# Altium PCB ACF_Out-v2.0.PcbDoc (part 1 of 2)
Units mil, origin at the board's own origin, x right, y up, seen from the top; angles counter-clockwise.
Board outline 5719.29 x 3937.01 mil, 2 copper layers (Top Layer, Bottom Layer), stack 61.811 mil thick; 67 components, 71 nets, 251 pads, 51 vias.
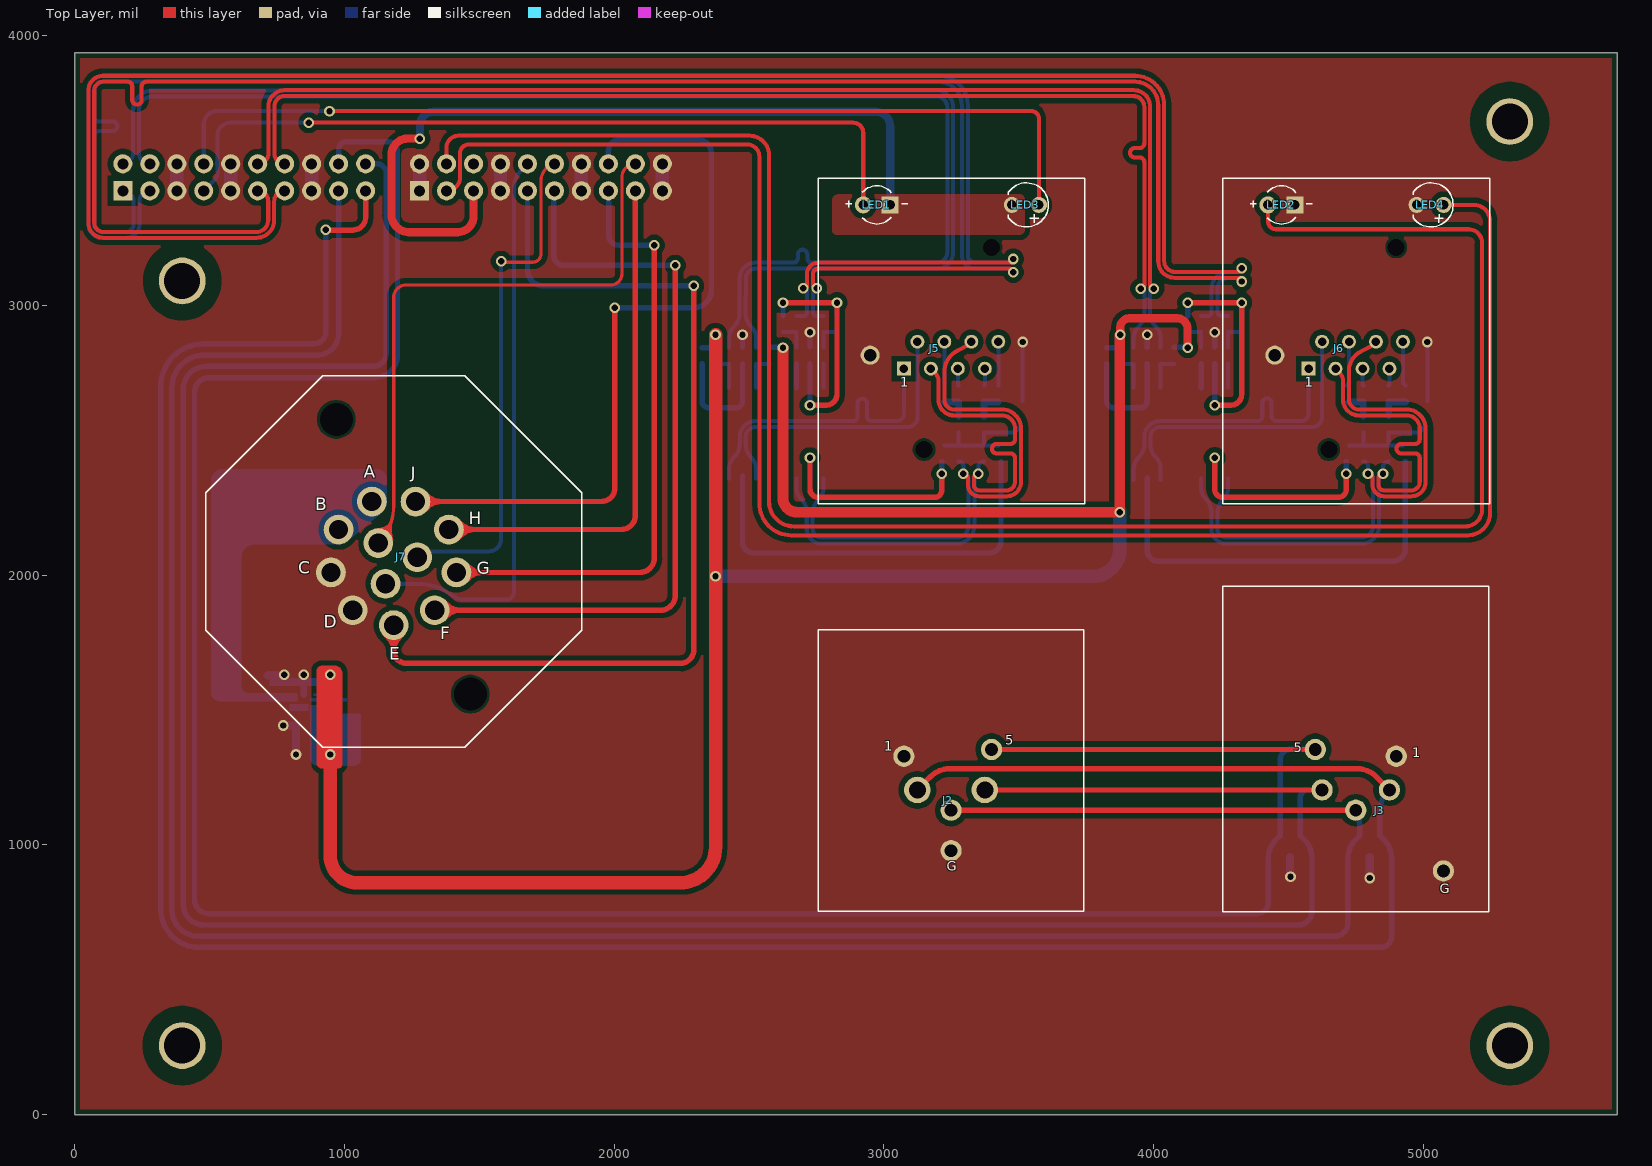
[diagram p0: Top Layer view]
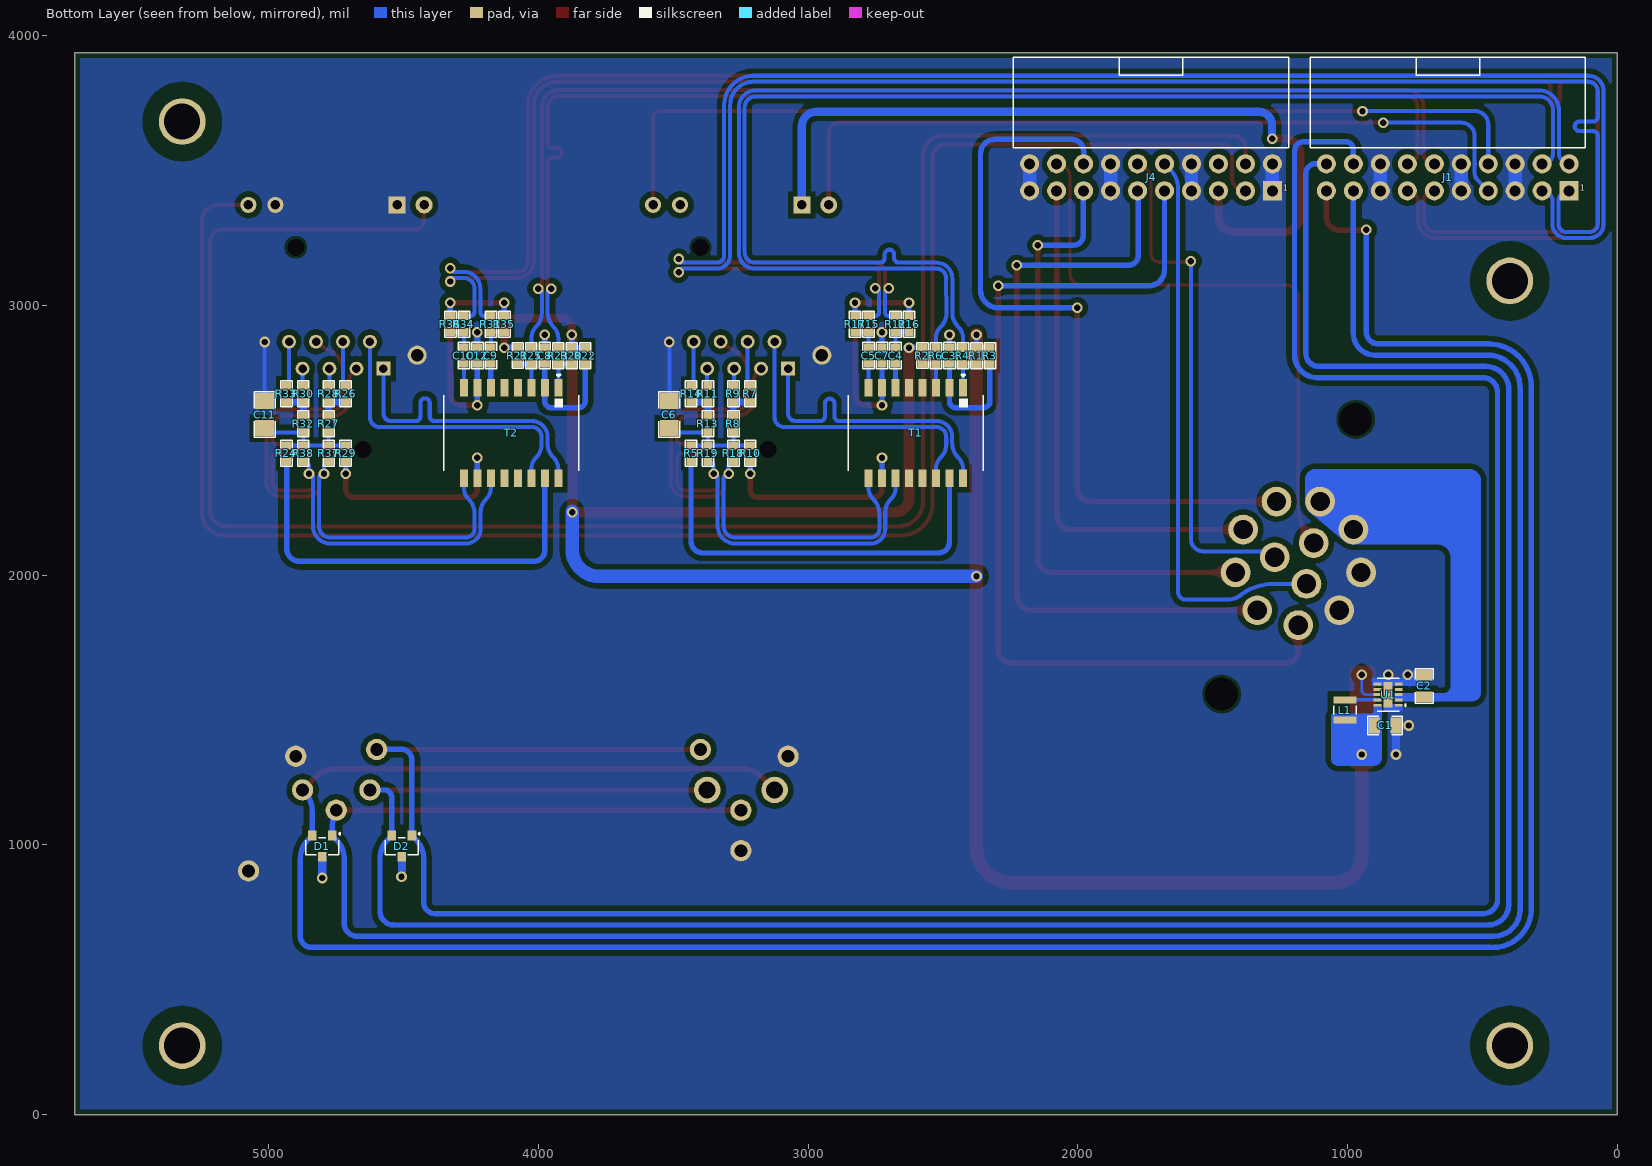
[diagram p1: Bottom Layer view, seen from below]
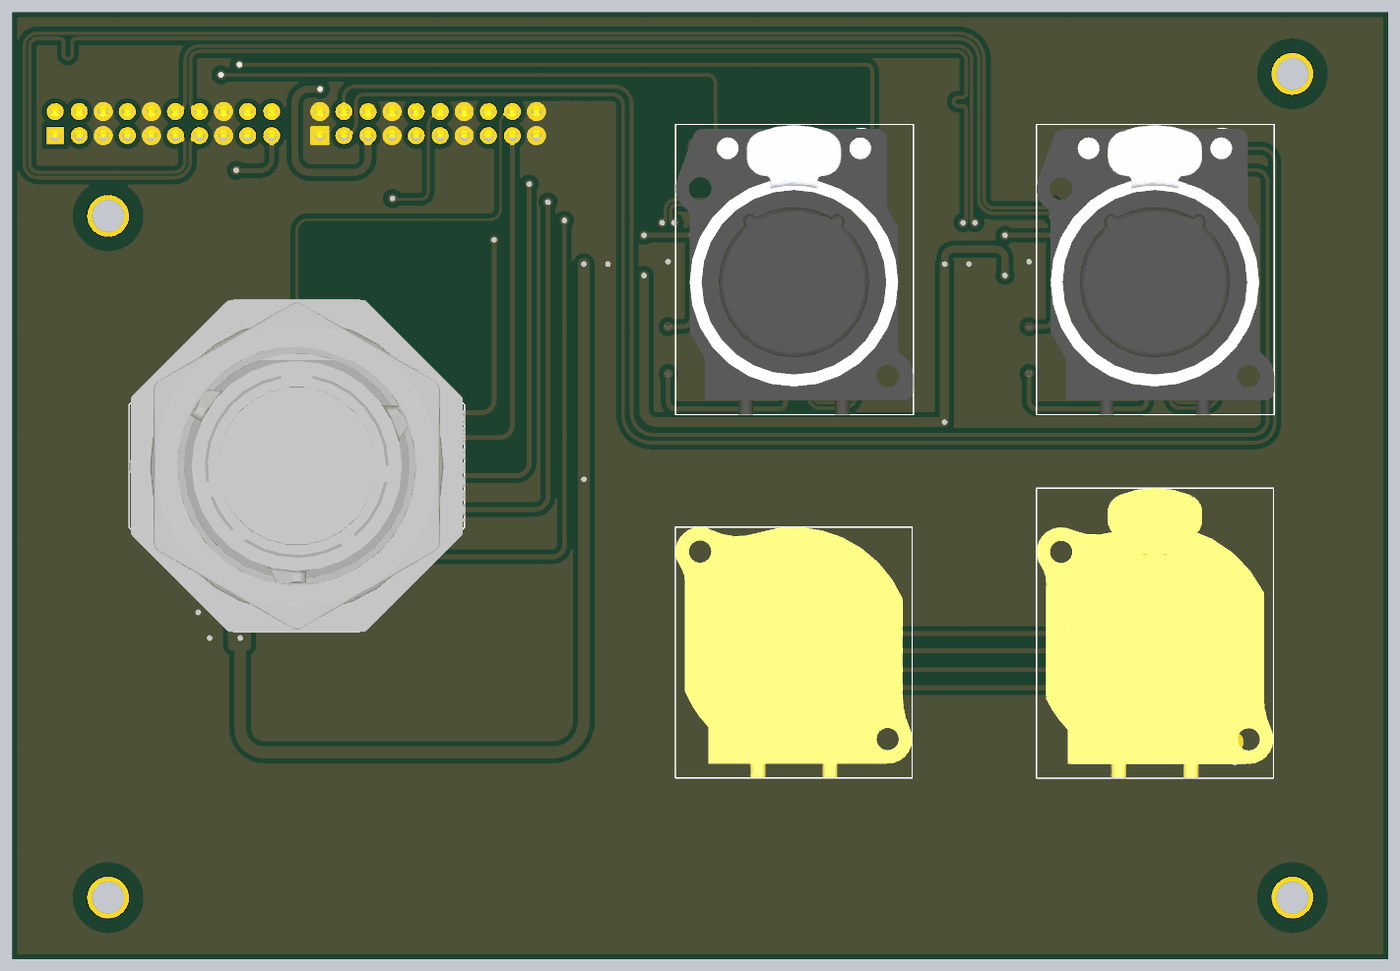
[diagram p3: 3D render of the assembled board from above, using the file's embedded part models]
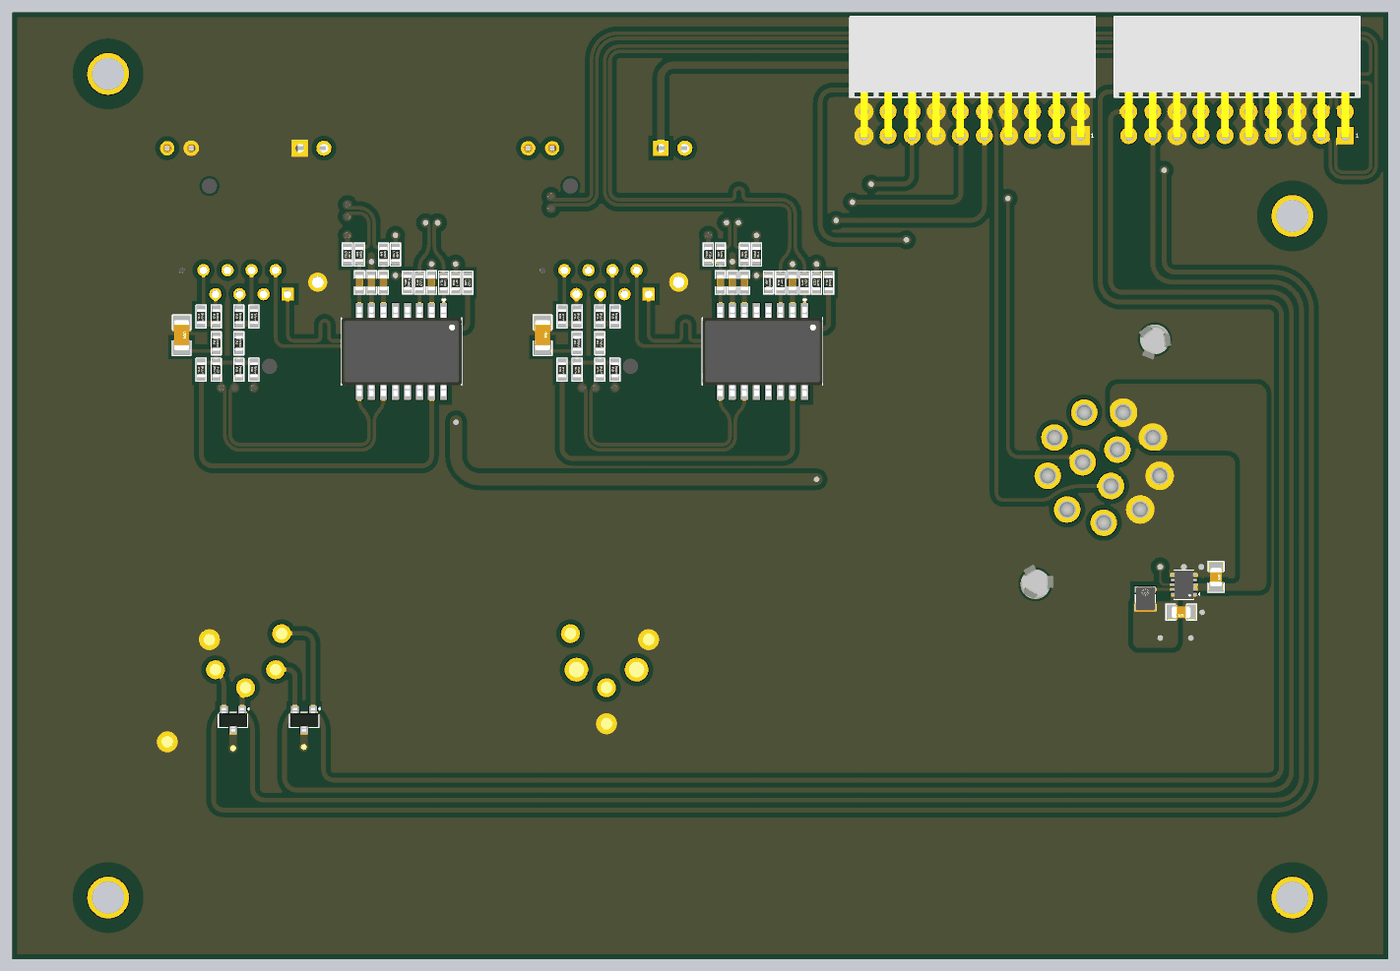
[diagram p4: 3D render of the assembled board from below, using the file's embedded part models]

## Layer stack, top to bottom
Top Solder: solder mask 0.9843, SM-004, Dk 4
Top Layer: signal copper 1.378
Dielectric 1: dielectric 59.055, FR-4, Dk 4.8
Bottom Layer: signal copper 1.378
Bottom Solder: solder mask 0.9843, SM-004, Dk 4

## Board outline
0,0 0,3937.01 5719.29,3937.01 5719.29,0

## Design rules (kind name [scope] priority, off if disabled: settings)
BoardOutlineClearance [All] p1: gap=0 ignorepadtopadclearanceinfootprint=FALSE except(20: Poly-OutlineEdge)
Clearance [All] p1: gap=10 ignorepadtopadclearanceinfootprint=FALSE except(6: SMDPad-SMDPad; 7: Arc-Arc Arc-Track Arc-SMDPad Arc-THPad Arc-Fill Track-Track Track-SMDPad Track-THPad Track-Fill SMDPad-Fill SMDPad-Region Fill-Fill Fill-Region; 20: Arc-Poly Track-Poly SMDPad-Poly THPad-Poly Via-Poly Fill-Poly Poly-Poly Poly-Region)
ComponentClearance [All] p1: gap=0 collisioncheckmode=3 verticalgap=0 showdistances=FALSE
DiffPairsRouting [InDifferentialPairClass('DIFF-ETH-100')] p1: maxlimit=7 minlimit=7 mostfreqgap=7 toplayer_minwidth=15 toplayer_maxwidth=15 toplayer_prefwidth=15 bottomlayer_minwidth=15 bottomlayer_maxwidth=15 bottomlayer_prefwidth=15 impedanceprofiledriven=TRUE impedanceprofileid={3366D138-F6F0-4418-872E-3D7843BC3837} impedanceprofilevalue=100.000000 maxuncoupledlength=787.4
Height [All] p1: minheight=0 maxheight=3937.01 prefheight=500
HoleSize [All] p1: absolutevalues=TRUE maxlimit=1000 minlimit=1 maxpercent=80.000 minpercent=20.000
HoleToHoleClearance [All] p1: gap=0 allowstackedmicrovias=TRUE
MatchedLengths "Schematic Matched Net Lengths" [InDifferentialPairClass('DIFF-ETH-100')] p1: tolerance=20 checknetsindiffpair=TRUE checkdiffpairvsdiffpair=FALSE checkxsignals=FALSE checkothers=FALSE
MaxMinImpedance "Schematic Impedance Constraint" [InDifferentialPairClass('DIFF-ETH-100')] p1: minimum=100.0 maximum=110.0
MinimumSolderMaskSliver [All] p1: minsoldermaskwidth=0
PolygonConnect [All] p1: connectstyle=Direct reliefconductorwidth=10 reliefentries=4 polygonreliefangle="90 Angle" airgapwidth=10
RoutingVias [All] p1: holewidth=11.81 width=23.62 viastyle="Through Hole" minholewidth=11.81 minwidth=23.62 maxholewidth=23.62 maxwidth=39.37
ShortCircuit "ShortCircuit - No NET" [InNet('No Net')] p1: allowed=TRUE
SilkToSilkClearance [All] p1: silktosilkclearance=0
SilkToSolderMaskClearance [IsPad] p1: minsilkscreentomaskgap=0 clearancetoexposedcopper=TRUE
SolderMaskExpansion [All] p1: expansion=4 istentingtop=FALSE
SupplyNets "Schematic Supply Nets_2" [InNet('24V')] p1: voltage=0.000
SupplyNets "Schematic Supply Nets_1" [InNet('3V3')] p2: voltage=0.000
SupplyNets "Schematic Supply Nets_45" [InNet('GND')] p3: voltage=0.000
Width [All] p1: maxlimit=100 minlimit=8 preferedwidth=15 minimp=50.000000 maximp=50.000000 favimp=50.000000
21 further rules are at their usual default settings.

## Classes and differential pairs
differential pair class DIFF-ETH-100: A_RXI1 A_TXI1 B_RXI1 B_TXI1 RXI1 RXI2 TXI1 TXI2
differential pair TXI2: +TXI2_P -TXI2_N
differential pair TXI1: +TXI1_P -TXI1_N
differential pair RXI2: +RXI2_P -RXI2_N
differential pair RXI1: +RXI1_P -RXI1_N
differential pair B_TXI1: +B_TXI1_P -B_TXI1_N
differential pair B_RXI1: +B_RXI1_P -B_RXI1_N
differential pair A_TXI1: +A_TXI1_P -A_TXI1_N
differential pair A_RXI1: +A_RXI1_P -A_RXI1_N

## Components (designator, comment, footprint, x,y, rotation, side; value= is the part's Value field where it differs from the comment)
C1 "22uF" Cap-0805 860.93,1442.54 r0 bottom
C2 "2.2uF" Cap-0805 716.1,1589.2 r270 bottom locked
C3 "22nF" Cap-0603 2476.1,2813.89 r270 bottom
C4 "6.8nF" Cap-0603 2676.1,2813.89 r270 bottom
C5 "6.8nF" Cap-0603 2776.1,2813.89 r270 bottom
C6 "4.7nF" Cap-1206 3514.68,2595 r270 bottom
C7 "10nF" Cap-0603 2726.1,2813.89 r270 bottom
C8 "22nF" Cap-0603 3976.1,2813.89 r270 bottom
C9 "6.8nF" Cap-0603 4176.1,2813.89 r270 bottom
C10 "6.8nF" Cap-0603 4276.1,2813.89 r270 bottom
C11 "4.7nF" Cap-1206 5014.68,2595 r270 bottom
C12 "10nF" Cap-0603 4226.1,2813.89 r270 bottom
D1 "SM712" SOT-23 4801.1,995 r0 bottom locked
D2 "SM712" SOT-23 4506.1,995 r0 bottom locked
J1 "SSW-110-02-G-D-RA-N" SSW-110-02-G-D-RA-N 628.96,3474.59 r180 bottom locked
J2 "NC5MBV-B" NC5MBV-B 3249.21,1303.54 r0 top locked
J3 "NC5FBV-B" NC5FBV-B 4749.21,1303.54 r0 top locked
J4 "SSW-110-02-G-D-RA-N" SSW-110-02-G-D-RA-N 1728.96,3474.59 r180 bottom locked
J5 "NE8FBV-C5-LED" NE8FBV-C5-LED 3237.01,2918.7 r0 top locked
J6 "NE8FBV-C5-LED" NE8FBV-C5-LED 4737.01,2918.7 r0 top locked
J7 "RTS714ND12S0332" RTS714ND12S0332 1183.07,2050.79 r0 top locked
L1 "10uH" "IND-1008 (2520 Metric)" 1010.1,1499.89 r270 bottom locked
LED1 "Emerald" "TH LED 3mm_" 2973.62,3372.24 r180 top locked
LED2 "Emerald" "TH LED 3mm_" 4473.62,3372.24 r180 top locked
LED3 "Yellow" "TH LED Yellow 3MM" 3524.8,3372.24 r180 top locked
LED4 "Yellow" "TH LED Yellow 3MM" 5024.8,3372.24 r180 top locked
R1 "49.9R" Res-0603 2376.1,2812.89 r270 bottom
R2 "49.9R" Res-0603 2576.1,2813.89 r270 bottom
R3 "49.9R" Res-0603 2326.1,2812.89 r270 bottom
R4 "33R" Res-0603 2426.1,2812.89 r270 bottom
R5 "75R" Res-0603 3434.06,2451 r270 bottom
R6 "33R" Res-0603 2526.1,2812.89 r270 bottom
R7 "49.9R" Res-0603 3214.37,2672 r270 bottom
R8 "49.9R" Res-0603 3277.21,2561 r270 bottom
R9 "49.9R" Res-0603 3277.21,2672 r270 bottom
R10 "75R" Res-0603 3214.37,2451 r270 bottom
R11 "49.9R" Res-0603 3371.21,2672 r270 bottom
R12 "33R" Res-0603 2675.95,2930.45 r270 bottom
R13 "49.9R" Res-0603 3371.21,2561 r270 bottom
R14 "49.9R" Res-0603 3434.06,2672 r270 bottom
R15 "33R" Res-0603 2776.1,2930.45 r270 bottom
R16 "75R" Res-0603 2626.1,2930.45 r90 bottom
R17 "75R" Res-0603 2826.1,2930.45 r90 bottom
R18 "150R" Res-0603 3277.21,2451 r270 bottom
R19 "150R" Res-0603 3371.21,2451 r90 bottom
R20 "49.9R" Res-0603 3876.1,2812.89 r270 bottom
R21 "49.9R" Res-0603 4076.1,2813.89 r270 bottom
R22 "49.9R" Res-0603 3826.1,2812.89 r270 bottom
R23 "33R" Res-0603 3926.1,2812.89 r270 bottom
R24 "75R" Res-0603 4934.06,2451 r270 bottom
R25 "33R" Res-0603 4026.1,2812.89 r270 bottom
R26 "49.9R" Res-0603 4714.37,2672 r270 bottom
R27 "49.9R" Res-0603 4777.21,2561 r270 bottom
R28 "49.9R" Res-0603 4777.21,2672 r270 bottom
R29 "75R" Res-0603 4714.37,2451 r270 bottom
R30 "49.9R" Res-0603 4871.21,2672 r270 bottom
R31 "33R" Res-0603 4175.95,2930.45 r270 bottom
R32 "49.9R" Res-0603 4871.21,2561 r270 bottom
R33 "49.9R" Res-0603 4934.06,2672 r270 bottom
R34 "33R" Res-0603 4276.1,2930.45 r270 bottom
R35 "75R" Res-0603 4126.1,2930.45 r90 bottom
R36 "75R" Res-0603 4326.1,2930.45 r90 bottom
R37 "150R" Res-0603 4777.21,2451 r270 bottom
R38 "150R" Res-0603 4871.21,2451 r90 bottom
T1 "H1102NL" H1102NLT 2601.1,2526.8 r270 bottom value=350uH
T2 "H1102NL" H1102NLT 4101.1,2526.8 r270 bottom value=350uH
U1 "TPS62177DQCR" "10-WSON (3x2)" 849.93,1556.89 r0 bottom locked

## Footprints (in the part's own frame and the unit in brackets; to place one, negate y for a bottom-side part, rotate by r counter-clockwise, add the part's x,y. Pads: shape width x height; smd on the part's side, far side on the other; paste and mask are expansions set on the pad)
"10-WSON (3x2)" [mm]
  rect 0.74x0.27 smd: 1(-0.995,1) 2(-0.995,0.5) 3(-0.995,0) 4(-0.995,-0.5) 5(-0.995,-1) 6(0.995,-1) 7(0.995,-0.5) 8(0.995,0) 9(0.995,0.5) 10(0.995,1)
  rect 0.84x2.4 smd: 11(0,0)
  silkscreen extent -1.68,-1.55 1.05,1.55, body extent -1,-1.5 1,1.5, height 0.8
Cap-0603 [mil]
  rect 30x35 smd mask+2.36: 1(-30,0) 2(30,0)
  silkscreen extent -49,-21 49,21, body extent -32,-16 31,16, height 34
Cap-0805 [mil] "SMD 0805"
  rect 40x60 smd mask+2.76: 1(-40,0) 2(40,0)
  silkscreen extent -64,-34 64,34, body extent -39,-25 39,25, height 30
Cap-1206 [mil] "SMD 1206"
  rect 60x70 smd: 1(-50,0) 2(50,0)
  silkscreen extent -84,-39 84,39, body extent -63,-31 63,32, height 39
H1102NLT [mm]
  rect 1.67x0.76 smd: 1(-4.265,4.445) 2(-4.265,3.175) 3(-4.265,1.905) 4(-4.265,0.635) 5(-4.265,-0.635) 6(-4.265,-1.905) 7(-4.265,-3.175) 8(-4.265,-4.445) 9(4.265,-4.445) 10(4.265,-3.175) 11(4.265,-1.905) 12(4.265,-0.635) 13(4.265,0.635) 14(4.265,1.905) 15(4.265,3.175) 16(4.265,4.445)
  silkscreen extent -5.48,-6.35 3.55,6.35, body extent -4.7,-6.35 4.7,6.35, height 5.97
"IND-1008 (2520 Metric)" [mm]
  rect 0.65x2.2 smd: 1(-0.95,0) 2(0.95,0)
  silkscreen extent -0.41,-1.04 0.41,1.04, body extent -1.25,-1 1.25,1, height 1.2
NC5FBV-B [mm]
  round 2 hole 1.2: 1(3.81,0.635) 2(3.175,-2.54) 3(0,-4.445) 4(-3.175,-2.54) 5(-3.81,1.27) G(8.255,-10.16)
  silkscreen extent -12.5,-14 12.5,16.63, body extent -12.5,-14 12.5,16.63, height 26.5
NC5MBV-B [mm]
  round 2 hole 1.2: 1(-4.445,0.635) 3(0,-4.445) 5(3.81,1.27) G(0,-8.255)
  round 2.5 hole 1.6: 2(-3.175,-2.54) 4(3.175,-2.54)
  silkscreen extent -12.51,-13.97 12.49,12.53, body extent -12.51,-13.97 12.49,12.53, height 26.9
NE8FBV-C5-LED [mm]
  rect 1.308x1.308 hole 0.8: 1(-4.135,-3.9)
  round 1.308 hole 0.8: 2(-2.865,-1.36) 3(-1.595,-3.9) 4(-0.325,-1.36) 5(0.945,-3.9) 6(2.215,-1.36) 7(3.485,-3.9) 8(4.755,-1.36)
  round 1.8 hole 1.2: G(-7.31,-2.63)
  round 0 hole 1.6 unplated: ""(-2.23,-11.52) ""(4.12,7.53)
  silkscreen extent -12.19,-16.63 12.91,14.02, body extent -12.19,-16.64 12.9,13.95, height 30.8
Res-0603 [mil]
  rect 30x35 smd: 1(-30,0) 2(30,0)
  silkscreen extent -48,-21 48,21, body extent -31,-17 31,17, height 18
RTS714ND12S0332 [mm]
  round 2.8 hole 1.82: A(-2.052,5.638) B(-5.196,3) C(-5.909,-1.042) D(-3.857,-4.596) E(0,-6) F(3.857,-4.596) G(5.909,-1.042) H(5.196,3) J(2.052,5.638) K(-1.446,1.724) L(-0.769,-2.114) M(2.215,0.391)
  round 0 hole 3.1: MH(-5.404,13.375) MH(7.213,-12.492)
  silkscreen extent -17.7,-17.5 17.7,17.5, body extent -17.7,-17.5 17.7,17.5, height 25.5
SOT-23 [mm] "TRANS NPN 40V 0.6A SOT23"
  rect 0.82x0.92 smd: 1(-0.95,-1) 2(0.95,-1) 3(0,1)
  silkscreen extent -1.68,-1.3 1.55,0.81, body extent -1.5,-1.25 1.5,1.25, height 1.05
SSW-110-02-G-D-RA-N [mm]
  rect 1.8x1.8 hole 1.04: 01(11.43,-1.27)
  round 1.8 hole 1.04: 02(11.43,1.27) 03(8.89,-1.27) 04(8.89,1.27) 05(6.35,-1.27) 06(6.35,1.27) 07(3.81,-1.27) 08(3.81,1.27) 09(1.27,-1.27) 10(1.27,1.27) 11(-1.27,-1.27) 12(-1.27,1.27) 13(-3.81,-1.27) 14(-3.81,1.27) 15(-6.35,-1.27) 16(-6.35,1.27) 17(-8.89,-1.27) 18(-8.89,1.27) 19(-11.43,-1.27) 20(-11.43,1.27)
  silkscreen extent -12.96,2.79 12.96,11.3, body extent -12.95,-1.47 12.95,11.3, height 6.25
"TH LED 3mm_" [mm]
  rect 1.6x1.6 hole 0.9: 1(-1.27,0)
  round 1.6 hole 0.9: 2(1.27,0)
  silkscreen extent -2.9,-1.8 2.92,1.8, body extent -1.5,-2 2,2, height 6.25
"TH LED Yellow 3MM" [mil]
  round 60 hole 35.43 paste-99999 mask+2: 1(-50,0) 2(50,0)
  silkscreen extent -85,-82 63,82, body extent -79,-80 61,78, height 205

## Part data
C1: library part CC0805MKX5R8BB226, "CAP CER 22UF 25V X5R 0805", Case Code (Imperial)=0805, Case Code (Metric)=2012, Dielectric=X5R, LCSC Part Number=C784585, Manufacturer=Yageo, Max Operating Temperature=85°C, Min Operating Temperature=-55°C, Package Quantity=3000, Supplier Part Number 1=311-1903-1-ND, Tolerance=20%, Voltage Rating=25V, Capacitance=22uF, Case/Package=0805, Category="Ceramic Capacitors", ComponentLink1Description=http://www.mouser.com/ds/2/447/Yageo_UPY-GP_NP0_16V-to-50V_9-358835.pdf?src-supplier=Mouser, ComponentLink1URL=http://www.mouser.com/ds/2/447/Yageo_UPY-GP_NP0_16V-to-50V_9-358835.pdf?src-supplier=Mouser, ComponentLink2Description=http://www.yageo.com/documents/recent/UPY-GPHC_X5R_4V-to-50V_25.pdf?src-supplier=Digi-Key, ComponentLink2URL=http://www.yageo.com/documents/recent/UPY-GPHC_X5R_4V-to-50V_25.pdf?src-supplier=Digi-Key, Halogen Free="Halogen Free", Height=1.25mm, Item Type=Capacitor, Lead Free="Lead Free", Length=0.079inch, Manufacturer Part Number=CC0805MKX5R8BB226, Mount="Surface Mount", Packaging="Tape and Reel", Pricing 1="1=0.47000, 10=0.33300, 50=0.25140, 100=0.21900, 500=0.16222, 1000=0.13789 (USD)", RoHS=Yes, RoHS Compliant=Yes, Stock 1=64970, Supplier 1=Digi-Key, Termination=SMD/SMT, Thickness=0.057inch, Voltage Rating (DC)=25V, Weight=0.000194oz, Width=0.049inch
C2: library part CC0805KKX7R9BB225, "CAP CER 2.2UF 50V X7R 0805", Case Code (Imperial)=0805, Case Code (Metric)=2012, Dielectric=X7R, LCSC Part Number=C125847, Manufacturer=Yageo, Max Operating Temperature=125°C, Min Operating Temperature=-55°C, Package Quantity=3000, Tolerance=10%, Voltage Rating=50V, Case/Package=0805, ComponentLink1Description=http://www.mouser.com/ds/2/447/Yageo_UPY-GP_NP0_16V-to-50V_9-358835.pdf?src-supplier=Mouser, ComponentLink1URL=http://www.mouser.com/ds/2/447/Yageo_UPY-GP_NP0_16V-to-50V_9-358835.pdf?src-supplier=Mouser, ComponentLink2Description=https://datasheet.octopart.com/CC0805KKX7R9BB225-Yageo-datasheet-166511530.pdf?src-supplier=Future+Electronics, ComponentLink2URL=https://datasheet.octopart.com/CC0805KKX7R9BB225-Yageo-datasheet-166511530.pdf?src-supplier=Future+Electronics, ComponentLink3Description=http://www.yageo.com/documents/recent/UPY-GPHC_X7R_6.3V-to-50V_18.pdf?src-supplier=Digikey, ComponentLink3URL=http://www.yageo.com/documents/recent/UPY-GPHC_X7R_6.3V-to-50V_18.pdf?src-supplier=Digikey, ComponentLink4Description=https://datasheet.octopart.com/CC0805KKX7R9BB225-Yageo-datasheet-151948686.pdf?src-supplier=Farnell, ComponentLink4URL=https://datasheet.octopart.com/CC0805KKX7R9BB225-Yageo-datasheet-151948686.pdf?src-supplier=Farnell, Halogen Free="Halogen Free", Height=950um, Item Type=Capacitors, Lead Free="Lead Free", Length=0.079inch, Manufacturer Part Number=CC0805KKX7R9BB225, Material=4241ConductorMaterial, Mounting Technology="Surface Mount", Packaging="Tape and Reel", Pricing="3000=0.057, 6000=0.0561, 9000=0.0555, 15000=0.0548, 30000=0.0534 (USD)", RoHS=Yes, RoHS Compliant=Yes, Series=CC, Stock=123000, Supplier="Future Electronics", Termination=SMD/SMT, Thickness=0.057inch, Voltage Rating (DC)=50V, Weight=0.000194oz, Width=0.049inch
C3 C8: library part CC0603KRX7R9BB223, "CAP CER 0.022UF 50V X7R 0603", Case Code (Imperial)=0603, Case Code (Metric)=1608, Dielectric=X7R, Dielectric Material=Ceramic, Insulation Resistance=100GR, LCSC Part Number=C106222, Manufacturer=Yageo, Max Operating Temperature=125°C, Min Operating Temperature=-55°C, Package Quantity=1, Supplier Part Number 1=311-1370-1-ND, Tolerance=10%, Voltage=50V, Capacitance=22nF, Case/Package=0603, Category="Ceramic Capacitors", ComponentLink1Description=https://datasheet.ciiva.com/8033/70765-8033869.pdf?src-supplier=Element14, ComponentLink1URL=https://datasheet.ciiva.com/8033/70765-8033869.pdf?src-supplier=Element14, ComponentLink2Description=https://datasheet.ciiva.com/28450/1489800-28450639.pdf?src-supplier=Element14, ComponentLink2URL=https://datasheet.ciiva.com/28450/1489800-28450639.pdf?src-supplier=Element14, ComponentLink3Description=https://datasheet.ciiva.com/8033/1489800-8033867.pdf?src-supplier=Element14, ComponentLink3URL=https://datasheet.ciiva.com/8033/1489800-8033867.pdf?src-supplier=Element14, ComponentLink4Description=https://datasheet.ciiva.com/8033/1489800-8033865.pdf?src-supplier=Element14, ComponentLink4URL=https://datasheet.ciiva.com/8033/1489800-8033865.pdf?src-supplier=Element14, ComponentLink5Description=https://datasheet.ciiva.com/156/mlccorderingcode-156178.pdf?src-supplier=Digi-Key, ComponentLink5URL=https://datasheet.ciiva.com/156/mlccorderingcode-156178.pdf?src-supplier=Digi-Key, ComponentLink6Description=https://datasheet.ciiva.com/156/mlccorderingcode-156177.pdf?src-supplier=Digi-Key, ComponentLink6URL=https://datasheet.ciiva.com/156/mlccorderingcode-156177.pdf?src-supplier=Digi-Key, ComponentLink7Description=https://datasheet.ciiva.com/156/mlccorderingcode-156179.pdf?src-supplier=Digi-Key, ComponentLink7URL=https://datasheet.ciiva.com/156/mlccorderingcode-156179.pdf?src-supplier=Digi-Key, ComponentLink8Description=https://datasheet.ciiva.com/11464/upy-gphc-x7r-6-3v-to-50v-8-11464741.pdf?src-supplier=Avnet, ComponentLink8URL=https://datasheet.ciiva.com/11464/upy-gphc-x7r-6-3v-to-50v-8-11464741.pdf?src-supplier=Avnet, Depth=0.8mm, Halogen Free="Halogen Free", Height=0.8mm, Item Type=Capacitor, Lead Free="Lead Free", Length=1.6mm, Manufacturer Part Number=CC0603KRX7R9BB223, Mount="Surface Mount", Number of Pins=2, Packaging="Tape and Reel", Pricing 1="1=0.10000, 10=0.05500, 50=0.03020, 100=0.02460, 500=0.01760, 1000=0.01383 (USD)", Radiation Hardening=No, REACH SVHC="No SVHC", Resistor Type=Ceramic, RoHS=Yes, RoHS Compliant=Yes, Series=CC, Stock 1=119735, Supplier 1=Digi-Key, Termination=SMD/SMT, Thickness=0.035inch, Voltage Rating=50V, Voltage Rating (DC)=50V, Width=0.031inch
C4 C5 C9 C10: library part 0603B682K500NT, "50V 6.8nF X7R ±10% 0603", LCSC Part Number=C1631, Manufacturer=FH, ComponentLink1Description=LCSC, ComponentLink1URL=https://www.lcsc.com/product-detail/Multilayer-Ceramic-Capacitors-MLCC-SMD-SMT_FH-Guangdong-Fenghua-Advanced-Tech-0603B682K500NT_C1631.html, Item Type=Capacitor, Manufacturer Part Number=0603B682K500NT